# Altium PCB dAir_0.0.0.4_07052022.PcbDoc (part 1 of 2)
Units mm, origin at the board's own origin, x right, y up, seen from the top; angles counter-clockwise.
Board outline 90 x 83.2 mm, 2 copper layers (Top Layer, Bottom Layer); 92 components, 56 nets, 317 pads, 160 vias.
Unrouted connection lines stored in the file: 2.
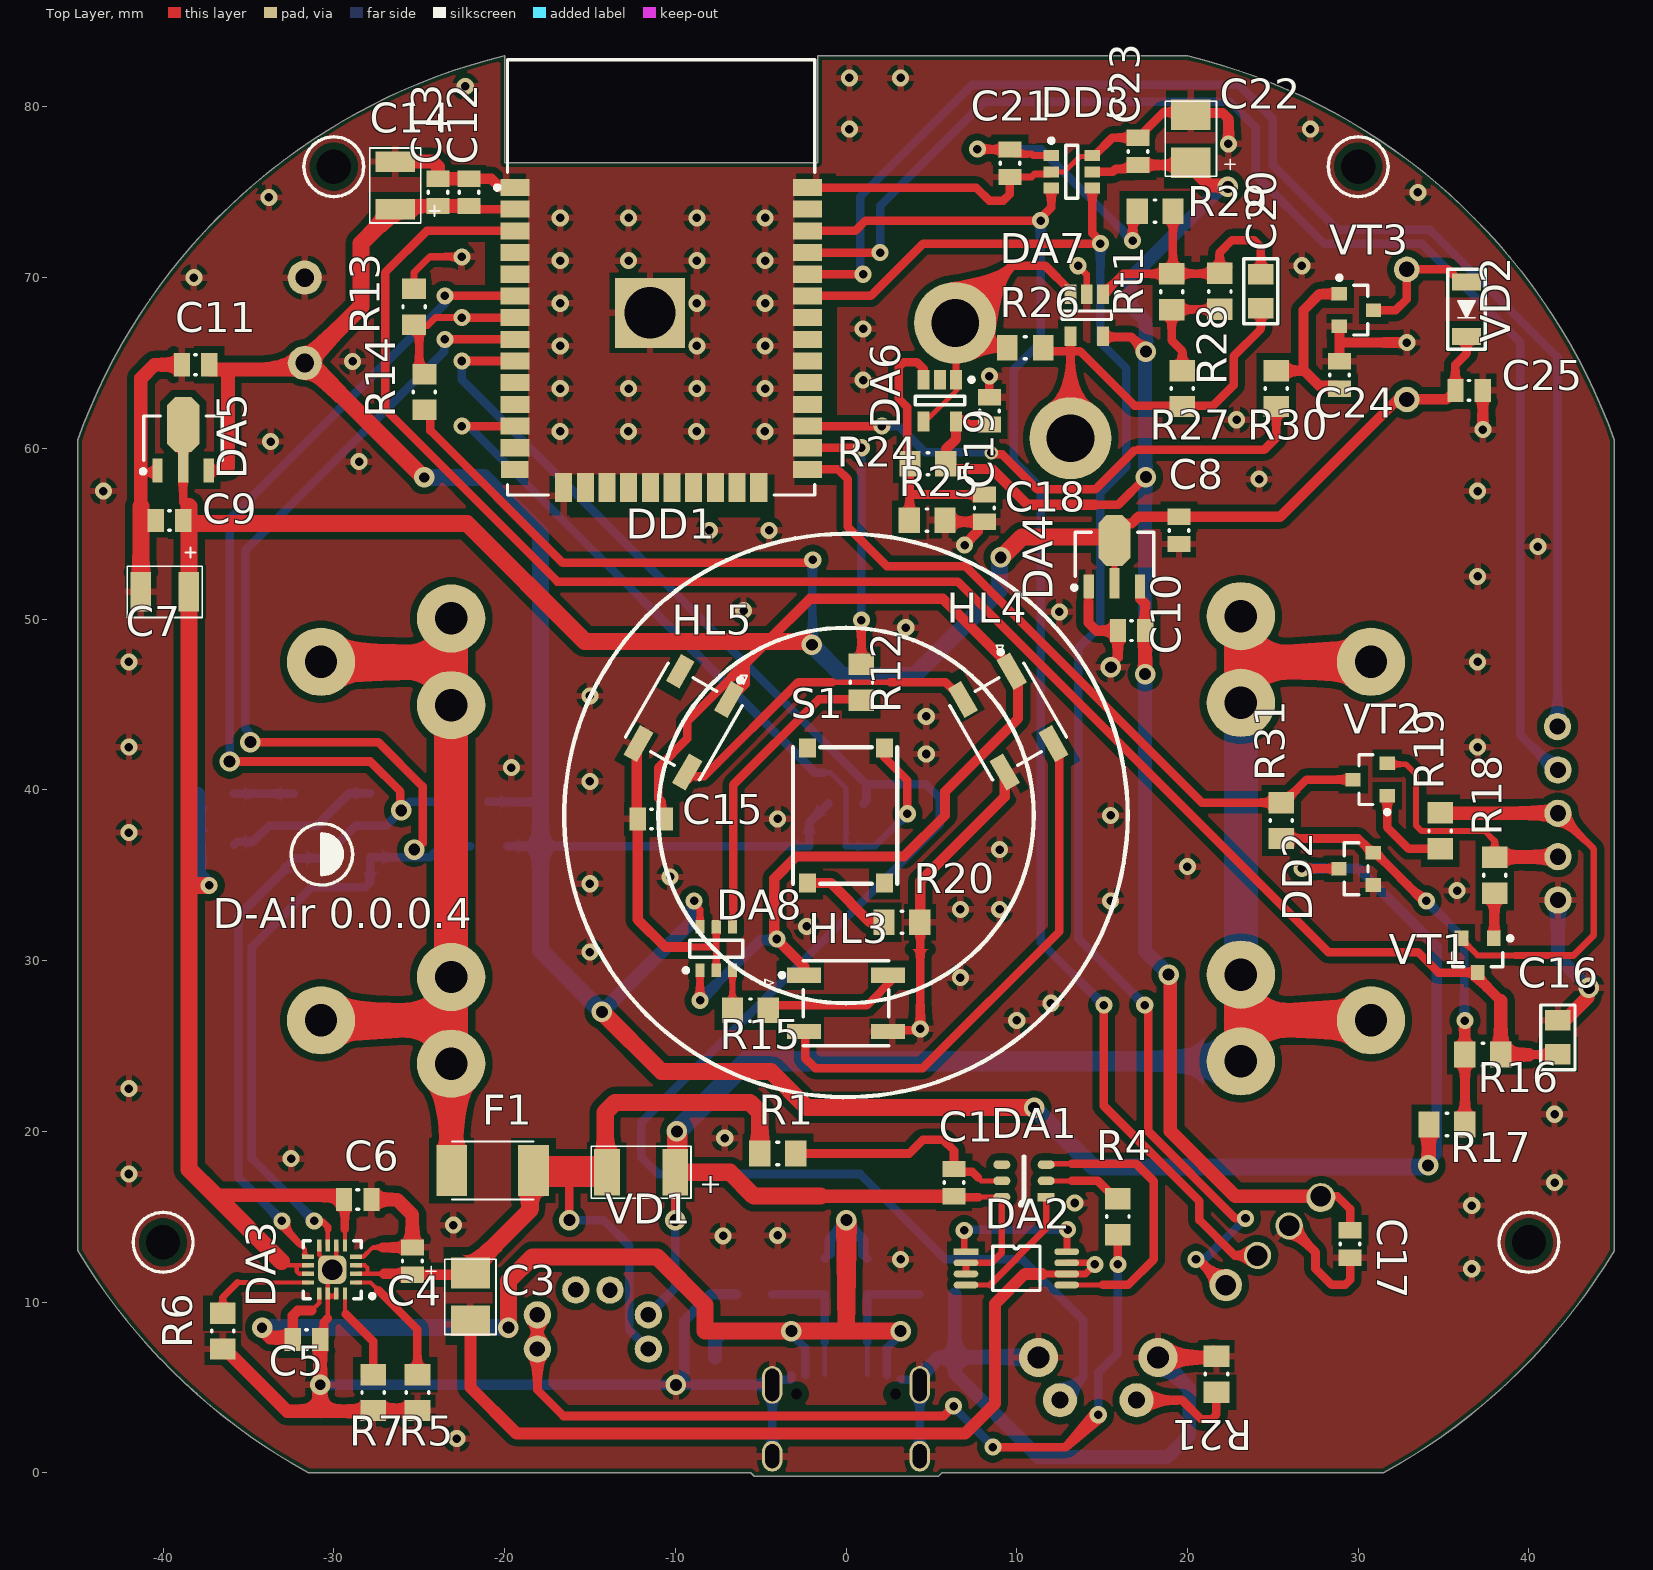
[diagram p0: Top Layer view]
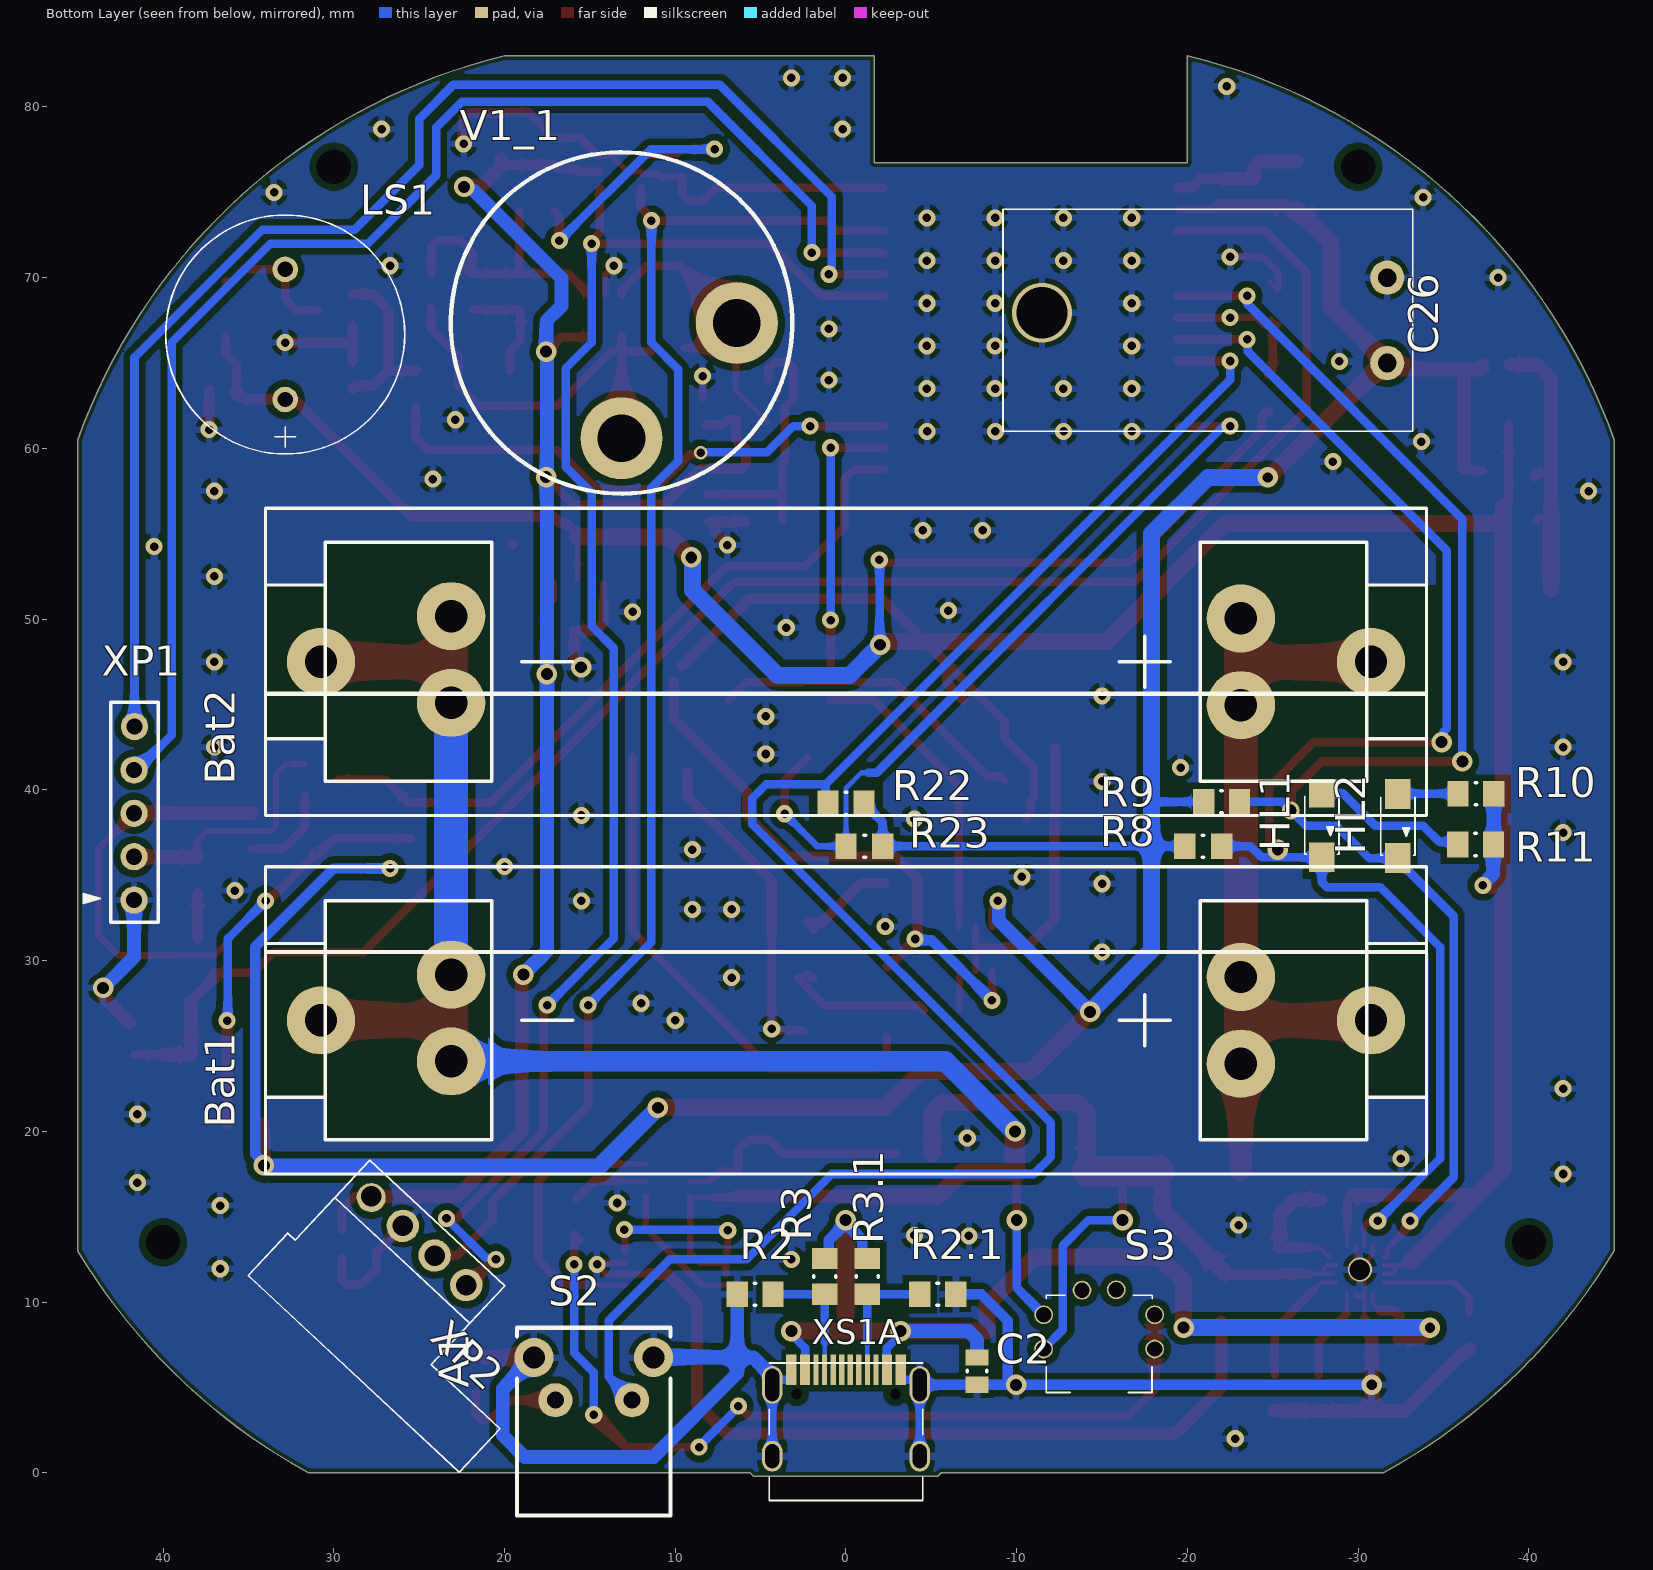
[diagram p1: Bottom Layer view, seen from below]

## Layer stack, top to bottom
Top Solder: solder mask 0.0102, Solder Resist, Dk 3.5
Top Layer: signal copper 0.0356
Dielectric 1: dielectric 0.32, FR-4, Dk 4.8
Bottom Layer: signal copper 0.0356
Bottom Solder: solder mask 0.0102, Solder Resist, Dk 3.5

## Board outline
-44.997,13.006 ccw(c-14.036,31.639) -31.493,0 -5.575,0 -5.375,-0.2 5.425,-0.2 5.625,0 31.493,0 ccw(c14.048,31.642) 45,13 45,60.5 ccw(c11.548,48.47) 20,83 -1.625,83 -1.65,82.975 -1.65,76.725 -20,76.725 -20,83 ccw(c-11.581,48.506) -45,60.5

## Design rules (kind name [scope] priority, off if disabled: settings)
BoardOutlineClearance [All] p1: gap=0.25 ignorepadtopadclearanceinfootprint=FALSE
Clearance [All] p1: gap=0.25 ignorepadtopadclearanceinfootprint=FALSE except(0.1: SMDPad-Via; 0.2: SMDPad-SMDPad; 0.4: Arc-Fill Arc-Poly Arc-Region Track-Fill Track-Poly Track-Region SMDPad-Fill SMDPad-Poly SMDPad-Region THPad-Fill THPad-Poly THPad-Region Via-Fill Via-Poly Via-Region Fill-Fill Fill-Poly Fill-Region Poly-Poly Poly-Region Region-Region)
HoleSize [All] p1: absolutevalues=TRUE maxlimit=5 minlimit=0.025 maxpercent=80.000 minpercent=20.000
PolygonConnect [All] p1: connectstyle=Relief reliefconductorwidth=0.4 reliefentries=4 polygonreliefangle="90 Angle" airgapwidth=0.3
RoutingVias [All] p1: holewidth=0 width=1 viastyle="Through Hole" minholewidth=0 minwidth=0 maxholewidth=10 maxwidth=10
SilkToSolderMaskClearance [IsPad] p1: minsilkscreentomaskgap=0.25 clearancetoexposedcopper=TRUE
SolderMaskExpansion [All] p1: expansion=0.102 istentingtop=FALSE
Width [All] p1: maxlimit=2 minlimit=0.25 preferedwidth=0.5
28 further rules are at their usual default settings.

## Components (designator, comment, footprint, x,y, rotation, side; value= is the part's Value field where it differs from the comment)
Bat1 "3.6V" Bat_18650_KEYS54 0,26.5 r0 bottom locked
Bat2 "3.6V" Bat_18650_KEYS54 0,47.5 r0 bottom
C1 "0.1µF" CAPC0805(2012)155_L 6.325,17 r270 top value=4.7uF
C2 "0.1µF" CAPC0805(2012)155_L -7.675,5.95 r270 bottom locked value=4.7uF
C3 "47µF" Tantal_type_A_and_B#1 -22,10.3 r90 top
C4 "4.7uF" CAPC0805(2012)155_L -25.4,12.4 r90 top
C5 "1uF" CAPC0805(2012)155_L -31.6,7.8 r0 top value=4.7uF
C6 "4.7uF" CAPC0805(2012)155_L -28.6,16 r0 top
C7 "100µF" Tantal_type_A_and_B#2 -39.9,51.6 r0 top
C8 "1uF" CAPC0805(2012)155_L 19.5,55.2 r90 top value=4.7uF
C9 "1uF" CAPC0805(2012)155_L -39.625,55.775 r0 top value=4.7uF
C10 "1uF" CAPC0805(2012)155_L 16.725,49.325 r0 top value=4.7uF
C11 "1uF" CAPC0805(2012)155_L -38.1,64.9 r0 top value=4.7uF
C12 "1nF" CAPC0805(2012)155_L -22.075,75 r270 top value=4.7uF
C13 "0.1uF" CAPC0805(2012)155_L -23.9,75 r270 top value=4.7uF
C14 "100µF" Tantal_type_A_and_B#2 -26.4,75.4 r270 top
C15 "0.1µF" CAPC0805(2012)155_L -11.4,38.3 r0 top value=4.7uF
C16 "0,1µF" "Cap 0805" 41.7,25.5 r90 top
C17 "0.1µF" CAPC0805(2012)155_L 29.525,13.4 r90 top value=4.7uF
C18 "0.1µF" CAPC0805(2012)155_L 8.1,56.5 r90 top value=4.7uF
C19 "1µF" CAPC0805(2012)155_L 8.4,62.2 r90 top value=4.7uF
C20 "22µF" "Cap 0805" 24.3,69.2 r270 top
C21 "1uF" CAPC0805(2012)155_L 9.6,76.7 r270 top value=4.7uF
C22 "100µF" Tantal_type_A_and_B#1 20.2,78.137 r270 top
C23 "0.1µF" CAPC0805(2012)155_L 17.1,77.4 r270 top value=4.7uF
C24 "0.1µF" CAPC0805(2012)155_L 28.9,64.3 r90 top value=4.7uF
C25 "1mF" CAPC0805(2012)155_L 36.5,63.4 r0 top value=4.7uF
C26 "2000µF" Capacitor_radial_13x21_5mm_angel -31.7,67.5 r90 bottom
DA1 "dw01v" dw01v_SOT-23-6 11.825,16.15 r180 top
DA2 "fs8205a" FS8205_TSSOP-8 7.025,12.95 r0 top
DA3 "BQ24075" VQFN_16 -30.1,11.9 r180 top
DA4 "XC6206P302PR" SOT89_N#1 15.725,53.8 r90 top
DA5 "XC6206P302PR" SOT89_N#2 -38.825,60.6 r90 top
DA6 "AD8603AU" ADI-UJ-5_M 5.5,62.8 r270 top
DA7 "AD8603AU" ADI-UJ-5_M 14.1,67.8 r270 top
DA8 "SN74LVC1T45DBVR" DBV0006A_L -7.6,30.7 r90 top
DD1 "ESP-WROOM-32" OLMX-ESP-WROOM-32 -10.825,66.5 r0 top
DD2 "MAX809RPR" FP-318-08-MFG 29.875,35.375 r180 top
DD3 "MCP3421A2T-E/CH" SOT-23-CH6_L 13.225,76.2 r0 top
F1 "MF-MSMF050" FUSE_MF-MSMF050 -20.7,17.7 r0 top
HL1 "GNL-1206SRC" LED_SMT-3.2x1.6x1.1#1 -27.875,37.925 r90 bottom
HL2 "GNL-1206SRC" LED_SMT-3.2x1.6x1.1#2 -32.325,37.875 r90 bottom
HL3 "WS2812B" ADAI-WS2812B_V#1 0,27.5 r0 top
HL4 "WS2812B" ADAI-WS2812B_V#1 9.5,44 r300 top
HL5 "WS2812B" ADAI-WS2812B_V#2 -9.5,44 r240 top
LS1 "Buzzer KPI-G1410" KPI-G1410 32.85,66.675 r90 bottom
R1 "300Om" RESC0805(2012)_M#1 -4,18.7 r0 top value="4.30 Ohm"
R2 "5.1kOm" RESC0805(2012)_M#1 5.325,10.45 r180 bottom locked value="4.30 Ohm"
R2.1 "5.1kOm" RESC0805(2012)_M#1 -5.375,10.45 r0 bottom locked value="4.30 Ohm"
R3 "56kOm" RESC0805(2012)_M#1 1.25,11.5 r90 bottom locked value="4.30 Ohm"
R3.1 "56kOm" RESC0805(2012)_M#1 -1.25,11.5 r90 bottom locked value="4.30 Ohm"
R4 "1kOm" RESC0805(2012)_M#1 15.925,15 r270 top value="4.30 Ohm"
R5 "10kOm" RESC0805(2012)_M#1 -25.1,4.7 r270 top value="4.30 Ohm"
R6 "2kOm" RESC0805(2012)_M#1 -36.5,8.3 r270 top value="4.30 Ohm"
R7 "1kOm" RESC0805(2012)_M#1 -27.7,4.7 r270 top value="4.30 Ohm"
R8 "47kOm" RESC0805(2012)_M#2 -20.9,36.7 r180 bottom value="4.30 Ohm"
R9 "47kOm" RESC0805(2012)_M#1 -22,39.3 r180 bottom value="4.30 Ohm"
R10 "1kOm" RESC0805(2012)_M#1 -36.9,39.775 r0 bottom value="4.30 Ohm"
R11 "1kOm" RESC0805(2012)_M#1 -36.875,36.8 r0 bottom value="4.30 Ohm"
R12 "470Om" RESC0805(2012)_M#1 0.9,46.3 r90 top value="4.30 Ohm"
R13 "470kOm" RESC0805(2012)_M#3 -25.3,68.3 r270 top value="4.30 Ohm"
R14 "100kOm" RESC0805(2012)_M#3 -24.7,63.3 r270 top value="4.30 Ohm"
R15 "100Om" RESC0805(2012)_M#1 -5.6,27.1 r0 top value="4.30 Ohm"
R16 "10kOm" RESC0805(2012)_M#1 37.3,24.5 r0 top value="4.30 Ohm"
R17 "10kOm" RESC0805(2012)_M#1 35.2,20.4 r180 top value="4.30 Ohm"
R18 "10kOm" RESC0805(2012)_M#1 38,35 r90 top value="4.30 Ohm"
R19 "10kOm" RESC0805(2012)_M#1 34.8,37.6 r90 top value="4.30 Ohm"
R20 "470Om" RESC0805(2012)_M#1 3.275,32.25 r180 top value="4.30 Ohm"
R21 "470Om" RESC0805(2012)_M#1 21.7,5.775 r270 top value="4.30 Ohm"
R22 "47kOm" RESC0805(2012)_M#1 0,39.2 r180 bottom value="4.30 Ohm"
R23 "47kOm" RESC0805(2012)_M#4 -1.1,36.7 r180 bottom value="4.30 Ohm"
R24 "1MOm" RESC0805(2012)_M#1 4.8,59.1 r0 top value="4.30 Ohm"
R25 "150kOm" RESC0805(2012)_M#1 4.75,55.8 r180 top value="4.30 Ohm"
R26 "1kOm" RESC0805(2012)_M#5 10.5,65.9 r0 top value="4.30 Ohm"
R27 "120kOm" RESC0805(2012)_M#1 19.7,63.5 r90 top value="4.30 Ohm"
R28 "100kOm" RESC0805(2012)_M#1 21.9,69.2 r90 top value="4.30 Ohm"
R29 "100Om" RESC0805(2012)_M#1 18.1,73.9 r180 top value="4.30 Ohm"
R30 "470Om" RESC0805(2012)_M#1 25.2,63.5 r270 top value="4.30 Ohm"
R31 "10kOm" RESC0805(2012)_M#1 25.5,38.2 r270 top value="4.30 Ohm"
Rt1 "47kOm" RESC0805(2012)_M#1 19.075,69.175 r90 top value="4.30 Ohm"
S1 "KLS7-TS6604-7.0 or IT1102WB" "Кнопка тактовая прямая SMT 7mm" 0,38.5 r90 top
S2 "KLS7-TS6606-8.0 or TS-A3PV" "Кнопка тактовая 8,0мм" 14.775,5.5 r180 bottom locked
S3 "Кнопка переключающая типа DPDT" "Кнопка типа DPDT 5.8x5.8x10.1 угловая" -14.825,10.7 r180 bottom
V1_1 "ME2-CO" ME2_CO 13.15,67.35 r90 bottom
VD1 "LL4007" MELF/DO-213AB -12,17.6 r0 top
VD2 "LL4148" "Zener diod (sod80c)" 36.342,68.153 r90 top
VT1 "bc847" ONSC-SOT-23-3-318-08_V 37,30.3 r270 top
VT2 "bc847" ONSC-SOT-23-3-318-08_V 30.7,40.6 r180 top
VT3 "BC847" ONSC-SOT-23-3-318-08_V 29.9,68.1 r0 top
XP1 "XP1" "Pin 5x2.54" 41.675,38.64 r90 bottom
XP2 "bme280" "BME680 вертикальная утсановка" 27.815,16.19 r133 bottom
XS1A "CON USB_TypeC-16Pin" USB_type_c_16P_SMT 0,5.725 r180 bottom locked

## Footprints (in the part's own frame and the unit in brackets; to place one, negate y for a bottom-side part, rotate by r counter-clockwise, add the part's x,y. Pads: shape width x height; smd on the part's side, far side on the other; paste and mask are expansions set on the pad)
ADAI-WS2812B_V#1 [mm] "SMD, 4-Leads, Body 5x5mm, Pitch 3.3mm"
  rect 2x0.9 smd: 1(-2.45,1.65) 2(-2.45,-1.65) 3(2.45,-1.65) 4(2.45,1.65)
  silkscreen extent -3.87,-2.5 2.5,2.5, body extent -2.7,-2.5 2.7,2.5, height 1.69
ADAI-WS2812B_V#2 [mm] "SMD, 4-Leads, Body 5x5mm, Pitch 3.3mm"
  rect 2x0.9 smd: 1(-2.45,1.65) 3(2.45,-1.65) 4(2.45,1.65)
  rect 1.8x0.9 smd: 2(-2.45,-1.65)
  silkscreen extent -3.87,-2.5 2.5,2.5, body extent -2.7,-2.5 2.7,2.5, height 1.69
ADI-UJ-5_M [mm] "SOT23, 5-Leads, Body 2.9x1.6mm, Pitch 0.95mm, IPC Low Density"
  rect 1.15x0.7 smd: 1(-1.225,0.95) 2(-1.225,0) 3(-1.225,-0.95) 4(1.225,-0.95) 5(1.225,0.95)
  silkscreen extent -1.35,-1.45 0.25,1.98, body extent -0.8,-1.45 0.8,1.45, height 1
Bat_18650_KEYS54 [mm]
  round 4 hole 1.9: 1(-30.75,0) 1(-23.13,-2.54) 1(-23.13,2.54) 2(23.13,-2.677) 2(23.13,2.403) 2(30.75,0)
  silkscreen extent -34,-9 34,9, body extent -34.01,-9.05 34.01,9.05, height 19
"BME680 вертикальная утсановка" [mm]
  round 1.7 hole 1.2 copper offset -0.05,-0.05: 1(0,0)
  round 1.9 / inner round 1.9 / far side round 1.6 hole 1.2: 2(0,-2.54) 3(0,-5.08)
  round 1.9 hole 1.2: 4(0,-7.62)
  silkscreen extent -8.3,-14.8 1.5,2.1, body extent -8.1,-14.55 0.35,1.85, height 19.3
"Cap 0805" [mm]
  rect 1.2x1.5 smd: 1(-1,0) 2(1,0)
  silkscreen extent -1.9,-1 1.9,1, body extent -1,-0.63 1,0.64, height 0.57
Capacitor_radial_13x21_5mm_angel [mm]
  round 2 hole 1.1: 1(-2.5,0) 2(2.5,0)
  silkscreen extent -6.5,-2.8 6.5,22.5, body extent -6.5,-0.3 6.5,22.4, height 14.6
CAPC0805(2012)155_L [mm] "Chip Capacitor, Body 2.0x1.2mm, Height 1.55mm, IPC High Density"
  rect 0.95x1.35 smd: 1(-0.8,0) 2(0.8,0)
  silkscreen extent -0.05,-0.58 0.05,0.58, body extent -1.1,-0.72 1.1,0.72, height 1.55
DBV0006A_L [mm] "SOT23, 6-Leads, Body 3.05x1.75mm, Pitch 0.95mm, IPC High Density"
  rrect18% 0.8x0.55 smd: 1(-1.275,0.95) 2(-1.275,0) 3(-1.275,-0.95) 4(1.275,-0.95) 5(1.275,0) 6(1.275,0.95)
  silkscreen extent -1.4,-1.55 0.5,1.9, body extent -1.42,-1.46 1.42,1.46, height 1.11
dw01v_SOT-23-6 [mm]
  rect 1x0.5 smd: 1(0.1,0)
  oval 1x0.5 smd: 2(0.1,-0.95) 3(0.1,-1.9) 4(2.7,-1.9) 5(2.7,-0.95) 6(2.7,0)
  silkscreen extent 1.16,-2.38 1.64,0.48, body extent 0.19,-2.35 2.61,0.45, height 1.09
FP-318-08-MFG [mm]
  rect 0.9x0.8 smd paste+0 mask+0: 1(-1,0.95) 2(-1,-0.95) 3(1,0)
  silkscreen extent -0.7,-1.52 0.7,1.52, body extent -1.55,-1.62 1.55,1.62, height 0.25
FS8205_TSSOP-8 [mm]
  rect 1.45x0.4 smd: 1(0,0)
  oval 1.45x0.4 smd: 2(0,-0.65) 3(0,-1.3) 4(0,-1.95) 5(5.9,-1.95) 6(5.9,-1.3) 7(5.9,-0.65) 8(5.9,0)
  silkscreen extent 1.56,-2.28 4.34,0.33, body extent -0.2,-2.55 6.2,0.55, height 1.2
FUSE_MF-MSMF050 [mm]
  rect 1.8x3 smd: 1(-2.4,0) 2(2.4,0)
  silkscreen extent -2.4,-1.7 2.4,1.7, body extent -2.25,-1.63 2.25,1.63, height 0.75
KPI-G1410 [mm]
  round 1.5 hole 0.9: 1(-3.81,0) 2(3.81,0)
  silkscreen extent -7,-7 7,7, body extent -7,-7 7,7, height 9.8
LED_SMT-3.2x1.6x1.1#1 [mm]
  rect 1.75x1.5 smd: 1(-1.875,0)
  rect 1.65x1.5 smd: 2(1.875,0)
  silkscreen extent -1.7,-1 1.7,1, body extent -1.6,-0.8 1.6,0.8, height 1.1
LED_SMT-3.2x1.6x1.1#2 [mm]
  rect 1.75x1.5 smd: 1(-1.875,0) 2(1.875,0)
  silkscreen extent -1.7,-1 1.7,1, body extent -1.6,-0.8 1.6,0.8, height 1.1
ME2_CO [mm]
  round 4.8 hole 2.8: 1W(-6.755,0) 232(0,-6.755)
  silkscreen extent -10,-10 10,10, body extent -10,-9.48 10,10.52, height 18.4
MELF/DO-213AB [mm]
  round 0 on Top Overlay: 0(2.5,1.8)
  rect 1.5x2.7 smd: 1(-2,0) 2(2,0)
  silkscreen extent -2.93,-1.53 2.93,1.53, body extent -2.51,-1.25 2.49,1.25, height 2.5
OLMX-ESP-WROOM-32 [mm] "SMD, 38-Leads, Body 18x25.5mm, Pitch 1.27mm"
  rect 1.7x1 smd: 1(-8.575,8.78) 2(-8.575,7.51) 3(-8.575,6.24) 4(-8.575,4.97) 5(-8.575,3.7) 6(-8.575,2.43) 7(-8.575,1.16) 8(-8.575,-0.11) 9(-8.575,-1.38) 10(-8.575,-2.65) 11(-8.575,-3.92) 12(-8.575,-5.19) 13(-8.575,-6.46) 25(8.575,-7.73) 26(8.575,-6.46) 27(8.575,-5.19) 28(8.575,-3.92) 29(8.575,-2.65) 30(8.575,-1.38) 31(8.575,-0.11) 32(8.575,1.16) 33(8.575,2.43) 34(8.575,3.7) 35(8.575,4.97) 36(8.575,6.24) 37(8.575,7.51) 38(8.575,8.78)
  rect 4.1x4.1 smd: 1(-0.655,1.44)
  rect 1.6x1 smd: 14(-8.575,-7.73)
  rect 1x1.7 smd: 15(-5.715,-8.78) 16(-4.445,-8.78) 17(-3.175,-8.78) 18(-1.905,-8.78) 19(-0.635,-8.78) 20(0.635,-8.78) 21(1.905,-8.78) 22(3.175,-8.78) 23(4.445,-8.78) 24(5.715,-8.78)
  silkscreen extent -9.72,-9.23 9,16.27, body extent -9.04,-9.25 9.04,16.29, height 3.04
ONSC-SOT-23-3-318-08_V [mm] "SOT23, 3-Leads, Body 2.92x1.3mm, Pitch 0.95mm"
  rect 0.9x0.8 smd: 1(-1,0.95) 2(-1,-0.95) 3(1,0)
  silkscreen extent -1.12,-1.46 0.65,2.03, body extent -0.65,-1.46 0.65,1.46, height 1.11
"Pin 5x2.54" [mm]
  round 1.6 hole 0.95: 1(-5.095,0.025) 2(-2.555,0.025) 3(-0.015,0.025) 4(2.525,0.025) 5(5.065,0)
  silkscreen extent -6.4,-1.4 6.5,3, body extent -6.31,-1.28 6.38,1.28, height 8.54
RESC0805(2012)_M#1 [mm] "Chip Resistor, Body 2.0x1.3mm, IPC Low Density"
  rect 1.25x1.5 smd: 1(-1.05,0) 2(1.05,0)
  silkscreen extent -0.05,-0.65 0.05,0.65, body extent -1.1,-0.67 1.1,0.67, height 0.7
RESC0805(2012)_M#2 [mm] "Chip Resistor, Body 2.0x1.3mm, IPC Low Density"
  rect 1.25x1.5 smd: 1(-1.05,0) 2(1.1,0)
  silkscreen extent -0.05,-0.65 0.05,0.65, body extent -1.1,-0.67 1.1,0.67, height 0.7
RESC0805(2012)_M#3 [mm] "Chip Resistor, Body 2.0x1.3mm, IPC Low Density"
  rect 1.2x1.4 smd: 1(-1.05,0) 2(1.05,0)
  silkscreen extent -0.05,-0.65 0.05,0.65, body extent -1.1,-0.67 1.1,0.67, height 0.7
RESC0805(2012)_M#4 [mm] "Chip Resistor, Body 2.0x1.3mm, IPC Low Density"
  rect 1.25x1.5 smd: 1(-1.1,0) 2(1.05,0)
  silkscreen extent -0.05,-0.65 0.05,0.65, body extent -1.1,-0.67 1.1,0.67, height 0.7
RESC0805(2012)_M#5 [mm] "Chip Resistor, Body 2.0x1.3mm, IPC Low Density"
  rect 1.2x1.5 smd: 1(-1.05,0) 2(1.05,0)
  silkscreen extent -0.05,-0.65 0.05,0.65, body extent -1.1,-0.67 1.1,0.67, height 0.7
SOT89_N#1 [mm] "SOT89, 3-Leads, Body 4.5x2.4 mm, Pitch 1.5mm, Lead Span 4.1mm, IPC Medium Density"
  rect 1.4x0.6 smd: 1(-1.9,1.5) 3(-1.9,-1.5)
  rect 1.8x0.6 smd: 2(-1.7,0)
  oct 3x1.9 smd: 2(0.8,0)
  silkscreen extent -2.07,-2.3 1.3,2.47, body extent -1.3,-2.3 1.29,2.3, height 1.6
SOT89_N#2 [mm] "SOT89, 3-Leads, Body 4.5x2.4 mm, Pitch 1.5mm, Lead Span 4.1mm, IPC Medium Density"
  rect 1.4x0.6 smd: 1(-1.9,1.5) 3(-1.9,-1.5)
  rect 1.8x0.6 smd: 2(-1.7,0)
  oct 3.2x1.9 smd: 2(0.8,0)
  silkscreen extent -2.07,-2.3 1.3,2.47, body extent -1.3,-2.3 1.29,2.3, height 1.6
SOT-23-CH6_L [mm] "SOT23, 6-Leads, Body 2.9x1.7mm, Pitch 0.95mm, Lead Span 2.8mm, IPC High Density"
  rect 0.9x0.65 smd: 1(-1.2,0.95) 2(-1.2,0) 3(-1.2,-0.95) 4(1.2,-0.95) 5(1.2,0) 6(1.2,0.95)
  silkscreen extent -1.32,-1.55 0.35,1.95, body extent -0.9,-1.55 0.9,1.55, height 1.45
Tantal_type_A_and_B#1 [mm]
  rect 1.8x2.3 smd: 1(1.4,0) 2(-1.4,0)
  silkscreen extent -2.2,-1.5 2.2,2.6, body extent -1.85,-1.5 1.85,1.5, height 2.11
Tantal_type_A_and_B#2 [mm]
  rect 1.2x2.3 smd: 1(1.4,0) 2(-1.4,0)
  silkscreen extent -2.2,-1.5 2.2,2.6, body extent -1.85,-1.5 1.85,1.5, height 2.11
USB_type_c_16P_SMT [mm]
  rect 0.6x1.8 smd: A1/B12(-3.2,0.31) A4/B9(-2.4,0.31) B1/A12(3.2,0.31) B4/A9(2.4,0.31)
  rect 0.3x1.8 smd: A5(-1.25,0.31) A6(-0.25,0.31) A7(0.25,0.31) A8(1.25,0.31) B5(1.75,0.31) B6(0.75,0.31) B7(-0.75,0.31) B8(-1.75,0.31)
  oval 1.2x1.8 hole 0.8 slot 1.4 at 90 deg: ""(-4.32,-4.755) ""(4.32,-4.755)
  oval 1.2x2.2 hole 0.8 slot 1.9 at 90 deg: ""(-4.32,-0.575) ""(4.32,-0.575)
  round 0 hole 0.65 unplated: ""(-2.89,-1.1) ""(2.89,-1.1)
  silkscreen extent -4.5,-7.35 4.5,0.7, body extent -4.48,-7.35 4.47,0.55, height 3.21
VQFN_16 [mm] "QFN, 16-Leads, Body 3,00x3,00mm, Pitch 0,50mm, Thermal Pad 1,68x1,68mm, IPC Medium Density"
  rect 0.7x0.25 smd: 1(-1.4,0.75) 2(-1.4,0.25) 3(-1.4,-0.25) 4(-1.4,-0.75) 9(1.4,-0.75) 10(1.4,-0.25) 11(1.4,0.25) 12(1.4,0.75)
  rect 0.25x0.7 smd: 5(-0.75,-1.4) 6(-0.25,-1.4) 7(0.25,-1.4) 8(0.75,-1.4) 13(0.75,1.4) 14(0.25,1.4) 15(-0.25,1.4) 16(-0.75,1.4)
  rrect50% 1.68x1.68 smd: 17(0,0)
  silkscreen extent -2.48,-1.7 1.7,1.7, body extent -1.56,-1.56 1.56,1.56, height 1
"Zener diod (sod80c)" [mm]
  rect 1x1.7 smd: 1(-1.6,0) 2(1.6,0)
  silkscreen extent -2.35,-1.1 2.35,1.1, body extent -1.85,-0.8 1.85,0.8, height 1.6
"Кнопка тактовая 8,0мм" [mm]
  round 2 hole 1: 1(-2.25,-1.25) 2(2.25,-1.25)
  round 2.3 hole 1.3: 3(-3.5,1.25) 4(3.5,1.25)
  silkscreen extent -4.5,-8 4.5,3, body extent -4.2,-8 4.2,2.75, height 7
"Кнопка тактовая прямая SMT 7mm" [mm]
  rect 1.1x1 smd: 1(-3.95,2.25) 2(3.95,2.25) 3(-3.95,-2.25) 4(3.95,-2.25)
  silkscreen extent -4,-3 4,3.1, body extent -4,-3 4,3, height 7
"Кнопка типа DPDT 5.8x5.8x10.1 угловая" [mm]
  round 1.1 / inner round 1.6 / far side round 1.6 hole 0.9: 1(3.25,-3.45) 2(3.25,-1.45) 3(-3.25,-3.45) 4(-3.25,-1.45) 5(1,0.011) 6(-1,0)
  silkscreen extent -3.1,-6 3.11,-0.3, body extent -3.25,-10.7 3.25,0.01, height 5.8

## Part data
Bat1 Bat2: library part АКБ_18650_KEYS54, "Panasonic NCR18650 Li-ion 3200mAh or Liitokala NCR18650 Li-ion 3200mAh"
C1 C2 C15 C17 C18 C23 C24: library part CMP-1036-04882-1, "Ceramic cap 0.1µF 16V ±10%,  / 0805 SMD, / X5R or X7R", Case-EIA=0805, Case-Metric=2012, Rated Voltage="10 V", Tolerance=Â±10%, Max Thickness="1.55 mm", Technology=SMT
C3: library part Cap_electrolitic, "Tantal chip cap 47µF 10V ±10%,  / type B"
C4 C6: library part CMP-1036-04882-1, "Ceramic cap 4.7µF 16V ±10%,  / 0805 SMD, / X5R or X7R", Case-EIA=0805, Case-Metric=2012, Rated Voltage="10 V", Tolerance=Â±10%, Max Thickness="1.55 mm", Technology=SMT
C5 C8 C9 C10 C11: library part CMP-1036-04882-1, "Ceramic cap 1µF 16V ±10%,  / 0805 SMD, / X5R or X7R", Case-EIA=0805, Case-Metric=2012, Rated Voltage="10 V", Tolerance=Â±10%, Max Thickness="1.55 mm", Technology=SMT
C7 C22: library part Cap_electrolitic, "Tantal chip cap 100µF 10V ±10%,  / type B"
C12: library part CMP-1036-04882-1, "Ceramic cap 1nF 10V ±10%,  / 0805 SMD, / X5R or X7R", Case-EIA=0805, Case-Metric=2012, Rated Voltage="10 V", Tolerance=Â±10%, Max Thickness="1.55 mm", Technology=SMT
C13: library part CMP-1036-04882-1, "Ceramic cap 0.1µF 10V ±10%,  / 0805 SMD, / X5R or X7R", Case-EIA=0805, Case-Metric=2012, Rated Voltage="10 V", Tolerance=Â±10%, Max Thickness="1.55 mm", Technology=SMT
C14: library part Cap_electrolitic, "Tantal chip cap 100µF 16V ±10%,  / type B"
C16: library part "Chip caparators", "Ceramic cap 0,1µF 10V ±10%,  / 0805 SMD, / X5R or X7R"
C19 C21: library part CMP-1036-04882-1, "Ceramic cap 1µF 10V ±10%,  / 0805 SMD, / X5R or X7R", Case-EIA=0805, Case-Metric=2012, Rated Voltage="10 V", Tolerance=Â±10%, Max Thickness="1.55 mm", Technology=SMT
C20: library part "Chip caparators", "Ceramic cap 22µF 10V ±10%,  / 0805 SMD, / X5R or X7R"
C25: library part CMP-1036-04882-1, "Ceramic cap 1mF 10V ±10%,  / 0805 SMD, / X5R or X7R", Case-EIA=0805, Case-Metric=2012, Rated Voltage="10 V", Tolerance=Â±10%, Max Thickness="1.55 mm", Technology=SMT
C26: library part Cap_electrolitic, "Cap electrolitic 2000µF 10V±10%, / Ø13×20mm step 5mm"
DA1: "Charge controller DW01V, SOT23-6"
DA2: library part fs8205, "Mosfet dual N-channel FS8205a TSSOP-8"
DA3: "Battery charger BQ24075, VQFN_16"
DA4 DA5: library part CMP-0204-00106-1, "LDO XC6206P302PR 3V 0.2A, SOT89-3", Code_IPC=SOT89, DatasheetVersion="Rev1.80, Mar-2010", PackageDescription="3-Pin SOT-89 Package 1.5 mm Pitch, 4.1 mm Lead Span", PackageReference=SOT89, PackageVersion=May-2010
DA6 DA7: library part CMP-0384-02070-2, "Oper. amplifiers AD8603AU, Rail-to-rail, TSOT-5", Amplifiers Per Package=1, Generic Part Number=AD8603, Input Bias Current=200fA, Input Offset Voltage=12uV, Manufacturer="Analog Devices", PartNumber=AD8603AUJ-REEL, Code_JEDEC=MO-193-AB, ComponentLink1Description="Manufacturer URL", ComponentLink1URL=http://www.analog.com/en/index.html, ComponentLink2Description=Datasheet, ComponentLink2URL=http://www.analog.com/static/imported-files/data_sheets/AD8603_8607_8609.pdf, ComponentLink3Description="Package Specification", ComponentLink3URL=http:/www.analog.com/static/imported-files/packages/PKG_PDF/TSOT(UJ)/UJ_5.pdf, ComponentLink4Description="Reference Circuit", ComponentLink4URL=http://www.analog.com/en/all-operational-amplifiers-op-amps/operational-amplifiers-op-amps/ad8603/products/product.html#product-recommendations, DatasheetVersion="Rev. C", Iq/Amp=50uA, Mounting Technology="Surface Mount", PackageDescription="5-Pin Thin Small Outline Transistor Package, Body 2.9 x 1.6 mm, Pitch 0.95 mm", PackageReference=UJ-5, PackageVersion=100708-A, RevisionNote="Reference Circuit URL fixed", Slew Rate=100mV/us, Small Signal Bandwidth=400KHz, V Span Max=6V, V Span Min=1.8V
DA8: library part CMP-0859-00206-3, "Bus Transceiver SN74LVC1T45DBVR, SOT23-6", F @ Nom Voltage(Max)(Mhz)=150, Generic Part Number=SN74LVC1T45, ICC @ Nom Voltage(Max)(mA)=0.004, Manufacturer="Texas Instruments", Operating Temperature Range(C)="-40 to 85", Rating=Catalog, tpd @ Nom Voltage(Max)(ns)=15.5,8,5.8,4.4, Voltage(Nom)(V)=1.8,2.5,3.3,5, 3-State Output=Yes, Bits(#)=1, DatasheetVersion=SCES515K, Input Type=CMOS/TTL, Logic=True, Output Drive (IOL/IOH)(Max)(mA)=32/-32, Output Type=CMOS, PackageReference=DBV0006A, Schmitt Trigger=No, Sub-Family="Dual Supply Translator", Technology Family=LVC, VCC(Max)(V)=5.5, VCC(Min)(V)=1.65
DD1: library part CMP-2000-07454-1, "Microcontroller ESP-WROOM-32, 38-Pin SMD", Manufacturer=Olimex, Package Description="38-Pin Surface Mount Device, Body 18 x 25.5 mm, Pitch 1.27 mm", Datasheet URL=http://www.espressif.com/sites/default/files/documentation/esp-wroom-32_datasheet_en.pdf, Datasheet Version="Rev. 2.1, 09/2017", Manufacturer URL=https://www.olimex.com, Mounting Technology=SurfaceMount, Package Reference=ESP-WROOM-32, RoHSCompliant=false
DD2: library part CMP-07130-000007-1, "IC MPU SUPERVISORY MAX809RPR, 2.93V SOT23", Manufacturer="ON SEMICONDUCTOR", Manufacturer Part Number=MAX809STRG, Max Junction Temp=+125°C, Max Supply Voltage=5.5V, Min Supply Voltage=1V, Nominal Supply Current=0.5-0.8uA, Output Current=20mA, Output Voltage=0.3V, Package=318-08, Temperature="-40°C to +125°C", Temperature Range Low=-40°C, Threshold Voltage=2.93V, Automotive=No, Category=IC, ComponentLink2Description=Datasheet, ComponentLink2URL=https://www.onsemi.cn/PowerSolutions/document/MAX809S-D.PDF, Device Class L1="Integrated Circuits (ICs)", Device Class L2="Power Management ICs", Device Class L3="Voltage Supervisors", Digikey Description="IC MPU SUPERVISORY 2.93V SOT23", Footprint Url=https://www.onsemi.com/pub/Collateral/318-08.PDF, Height=1.11mm, Lead Free=Yes, Mouser Description="Supervisory Circuits 2.93V uP Reset", Number Of Outputs=1, Number Of Rails Monitored=1, Octopart=https://octopart.com/max809strg-on+semiconductor-509853, Reset Timeout=10us, Reset Type="Active Low", RoHS=TRUE, Standoff Height=0.01mm, Temperature Range High=+125°C
DD3: library part CMP-0188-00097-2, "ADC MCP3421A2T-E/CH, 2.7-5.5V18-Bit, SOT23-6", Code_IPC=SOT26A-6, ComponentLink1Description="Manufacturer URL", ComponentLink1URL=http://www.microchip.com/, ComponentLink2Description=Datasheet, ComponentLink2URL=http://ww1.microchip.com/downloads/en/DeviceDoc/22003e.pdf, ComponentLink3Description="Package Specification", ComponentLink3URL=http://www.microchip.com/stellent/groups/techpub_sg/documents/packagingspec/en012702.pdf, DatasheetVersion="revE, Aug-2009", PackageDescription="6-Lead Plastic Small Outline Transistor (CH) [SOT-23]", PackageReference=SOT-23-CH6, PackageVersion="revBB, Aug-2009", RevisionNote="URLs added."
F1: library part Fuse, "Multifuse MF-MSMF050, 0.5 А, SMD 1812"
HL1 HL2: library part SMT_LED-3.2x1.6x1.1, "SMD LED GNL-1206SCR"
HL3 HL4 HL5: library part CMP-1740-00005-1, "SMD LED WS2812B", Case\Package=Radial, Current Rating="240 mA", Max Operating Temperature="125 degC", Min Operating Temperature="-55 degC", Package Quantity=200, Tolerance=10%, ComponentLink1Description="Manufacturer URL", ComponentLink1URL=https://www.adafruit.com/, ComponentLink2Description=Datasheet, ComponentLink2URL=https://cdn-shop.adafruit.com/datasheets/WS2812B.pdf, DatasheetVersion=May-13, Height="12.2 mm", Lead Pitch="5 mm", Length="12.2 mm", Mount="Through Hole", PackageDescription="4-Pin Surface Mount Device, Body 5 x 5 mm, Pitch 3.3 mm", PackageReference=WS2812B, Packaging=Bulk, Pins=2, Radiation Hardening=No, REACH SVHC="No SVHC", RoHSCompliant=true, Shielding=Unshielded
R1: library part CMP-1013-00017-1, "Res 300Om±5%, SMD 0805", Case-EIA=0805, Case-Metric=2012, Power="0.125 W", Tolerance="5 %", Technology=SMT
R2: library part CMP-1013-00017-1, "Res 5.1kOm±5%, SMD 0805", Case-EIA=0805, Case-Metric=2012, Power="0.125 W", Tolerance="5 %", Technology=SMT
R2.1: library part CMP-1013-00017-1, "Res 5.1Om±5%, SMD 0805", Case-EIA=0805, Case-Metric=2012, Power="0.125 W", Tolerance="5 %", Technology=SMT
R3 R3.1: library part CMP-1013-00017-1, "Res 56kOm±5%, SMD 0805", Case-EIA=0805, Case-Metric=2012, Power="0.125 W", Tolerance="5 %", Technology=SMT
R4 R7 R10 R11 R26: library part CMP-1013-00017-1, "Res 1kOm±5%, SMD 0805", Case-EIA=0805, Case-Metric=2012, Power="0.125 W", Tolerance="5 %", Technology=SMT
R5 R16 R17 R18 R19 R31: library part CMP-1013-00017-1, "Res 10kOm±5%, SMD 0805", Case-EIA=0805, Case-Metric=2012, Power="0.125 W", Tolerance="5 %", Technology=SMT
R6: library part CMP-1013-00017-1, "Res 2kOm±5%, SMD 0805", Case-EIA=0805, Case-Metric=2012, Power="0.125 W", Tolerance="5 %", Technology=SMT
R8 R9 R22 R23 Rt1: library part CMP-1013-00017-1, "Res 47kOm±5%, SMD 0805", Case-EIA=0805, Case-Metric=2012, Power="0.125 W", Tolerance="5 %", Technology=SMT
R12 R20 R21 R30: library part CMP-1013-00017-1, "Res 470Om±5%, SMD 0805", Case-EIA=0805, Case-Metric=2012, Power="0.125 W", Tolerance="5 %", Technology=SMT
R13: library part CMP-1013-00017-1, "Res 470kOm±5%, SMD 0805", Case-EIA=0805, Case-Metric=2012, Power="0.125 W", Tolerance="5 %", Technology=SMT
R14 R28: library part CMP-1013-00017-1, "Res 100kOm±5%, SMD 0805", Case-EIA=0805, Case-Metric=2012, Power="0.125 W", Tolerance="5 %", Technology=SMT
R15 R29: library part CMP-1013-00017-1, "Res 100Om±5%, SMD 0805", Case-EIA=0805, Case-Metric=2012, Power="0.125 W", Tolerance="5 %", Technology=SMT
R24: library part CMP-1013-00017-1, "Res 1MOm±5%, SMD 0805", Case-EIA=0805, Case-Metric=2012, Power="0.125 W", Tolerance="5 %", Technology=SMT
R25: library part CMP-1013-00017-1, "Res 150kOm±5%, SMD 0805", Case-EIA=0805, Case-Metric=2012, Power="0.125 W", Tolerance="5 %", Technology=SMT
R27: library part CMP-1013-00017-1, "Res 120kOm±5%, SMD 0805", Case-EIA=0805, Case-Metric=2012, Power="0.125 W", Tolerance="5 %", Technology=SMT
S1: library part "Кнопка тактовая прямая", "Tact switch KLS7-TS6604-7.0 or IT1102WB"
S2: library part "Кнопка тактовая угловая", "Tact switch KLS7-TS6606-8.0 or TS-A3PV, TC-0206,                         IT-1102HC,                         IT-1102NC"
V1_1: library part "ME2 CO", "Sensor ME2-CO"
VD1: "Rectifier diode LL4007, MELF/DO-213AB"
VD2: library part "Diod (sod-80, LL-34)", "Diod LL4148, SOD-80"
VT1 VT2 VT3: library part CMP-1048-00737-1, "NPN-transistor BC847, SOT-23", Manufacturer="On Semiconductor", PartNumber=BC817-25LT1G, ComponentLink1Description="Manufacturer URL", ComponentLink1URL=http://www.onsemi.com/, ComponentLink2Description=Datasheet, ComponentLink2URL=http://www.onsemi.com/pub_link/Collateral/BC817-16LT1-D.PDF, ComponentLink3Description="Package Specification", ComponentLink3URL=http://www.onsemi.cn/pub_link/Collateral/318-08.PDF, DatasheetVersion="Rev. 12", fT Min (MHz)=100, IC Continuous (A)=0.5, Mounting Technology="Surface Mount", PackageDescription="3-Pin Small Outline Transistor, Body 2.92 x 1.3 mm, Pitch 0.95 mm", PackageReference=SOT-23-3-318-08, PackageVersion="Rev. AP, 11/2009", Packing="Tape and Reel", Polarity=NPN, RoHS=TRUE
XP1: library part "Pin 5x2.54mm", "Pin connector PLS-5 (DS1021-1×5), step 2.54mm"
XS1A: library part USB_TypeC-16Pin, "Connector USB Type-C-31-M-12"

## Free pads (board coordinates)
  round 1.524 hole 2 unplated: ""(-40,13.5) ""(-30,76.5) ""(30,76.5) ""(40,13.5)
  round 0.5 on Top Overlay: ""(5.35,12.9)

## Via types
v1: diameter 1, hole 0.5, Top Layer to Bottom Layer, tented both sides, 96 vias
v2: diameter 1, hole 0.5, Top Layer to Bottom Layer, 33 vias
v3: diameter 1.2, hole 0.7, Top Layer to Bottom Layer, 23 vias
v4: diameter 1.2, hole 0.6, Top Layer to Bottom Layer, 3 vias
v5: diameter 1.2/1.05 (per signal layer), hole 0.7, Top Layer to Bottom Layer, 1 vias
v6: diameter 1, hole 0.5, Top Layer to Bottom Layer, tented bottom, 1 vias
v7: diameter 0.8, hole 0.5, Top Layer to Bottom Layer, 1 vias
v8: diameter 1.4, hole 1.2, Top Layer to Bottom Layer, 1 vias
v9: diameter 3.5, hole 3, Top Layer to Bottom Layer, 1 vias

## Nets (pads, with @x,y where several pads share a name; then routed paths per layer and width w, separated by ;. In a path a pad name is that pad's centre, name@x,y a point inside that pad or via, vN(x,y) a via of type N, cw(c..) or ccw(c..) an arc to the next point about the centre after c; other vN are vias at no path point)
3V: C10.2 C17.2 C19.1 C22.1 C23.2 DA4.3 DA6.5 DA7.5 DD3.5 R24.2 XP2.1 | length 108.2
  Top Layer w0.5: DA6.5@6.45,61.675 6.475,61.7 6.907,61.7 7.207,61.4 8.15,61.4 C19.1@8.225,61.325 ; DD3.5@14.425,76.2 15.625,76.2 15.8,76.375 16.875,76.375 C23.2@17.1,76.6 ; 14.563,56.7 15.942,56.7 v3(17.565,58.323) ; DA7.5@15.05,66.575 15.1,66.525 16.715,66.525 v3(17.565,65.675) v3@17.515,65.625 ; XP2.1@28.116,15.889 XP2.1@27.815,16.19 28.785,16.19 29.525,15.45 C17.2@29.525,14.2
  Top Layer w0.6: DA6.5@6.45,61.675 DA6.5@6.45,61.575 6.45,60.55 5.85,59.95 R24.2@5.85,59.1 6.15,58.8 8.528,58.8 10.628,56.7 14.563,56.7 ; C23.2@17.1,76.6 19.825,76.6 20.2,76.975 C22.1@20.2,77 ; DA4.3@17.225,52.1 DA4.3@17.225,51.9 17.225,51.2 17.525,50.9 C10.2@17.525,49.325
  Top Layer w0.8: v3(17.516,46.781) 17.521,46.785 17.521,49.321 C10.2@17.525,49.325 ; v3(18.9,29.181) 18.9,29.072 19,28.972 19,20 22.81,16.19 XP2.1@27.815,16.19 ; C22.1@20.2,76.975 C22.1@20.2,76.737 20.2,76.5 21.301,75.399 22.288,75.399 v3(22.365,75.323)
  Bottom Layer w0.8: v3@17.516,65.675 v3(17.516,46.781) 17.516,30.564 v3(18.9,29.181) ; v3@17.532,65.598 17.609,65.675 17.536,65.748 17.536,67.475 16.665,68.346 16.665,69.965 21.8,75.1
5V: C2.1 C5.1 DA3.13 R3.1.2 R3.2 XS1A.A4/B9 XS1A.B4/A9 | length 72.7
  Top Layer w0.25: -31.3,9.5 -30.85,9.95 DA3.13@-30.85,10.5
  Top Layer w0.5: C5.1@-32.4,7.8 C5.1@-32.4,7.84
  Top Layer w0.6: C5.1@-32.4,7.84 -32.4,9.207 -32.107,9.5 -31.3,9.5
  Top Layer w0.8: v4@-34.2,8.3 -34.092,8.3 -33.707,7.915 -32.475,7.915 C5.1@-32.4,7.84
  Top Layer w1: v3@-19.775,8.425 v3@-19.737,8.387 ; v3(-19.775,8.5) -19.775,11.225 -18.35,12.65 -11.075,12.65 -8.258,9.833 -8.258,8.3 v3(-3.2,8.3) 0.025,8.3 ; v3@0,14.775 0.025,14.75 0.025,8.3 ; v3(3.2,8.3) 0.025,8.3
  Bottom Layer w0.5: v3(-3.2,8.3) -3.2,8.111 -2.4,7.311 XS1A.B4/A9@-2.4,6.035 XS1A.B4/A9@-2.4,5.725 ; R3.1.2@-1.25,12.55 R3.1.2@-0.953,12.847 ; v3@0.025,14.611 v3(0.025,14.8) ; R3.2@1.003,12.797 R3.2@1.25,12.55 ; XS1A.A4/B9@2.4,5.725 XS1A.A4/B9@2.4,6.035 2.4,7.311 3.2,8.111 v3(3.2,8.3)
  Bottom Layer w0.6: R3.1.2@-0.953,12.847 -0.953,13.632 0.025,14.611 1.003,13.632 R3.2@1.003,12.797
  Bottom Layer w0.8: C2.1@-7.675,6.75 -7.675,7.8 -7.175,8.3 v3(-3.2,8.3)
  Bottom Layer w1: v4(-34.2,8.5) v3(-19.775,8.5)